# KiCad board keyboard.kicad_pcb
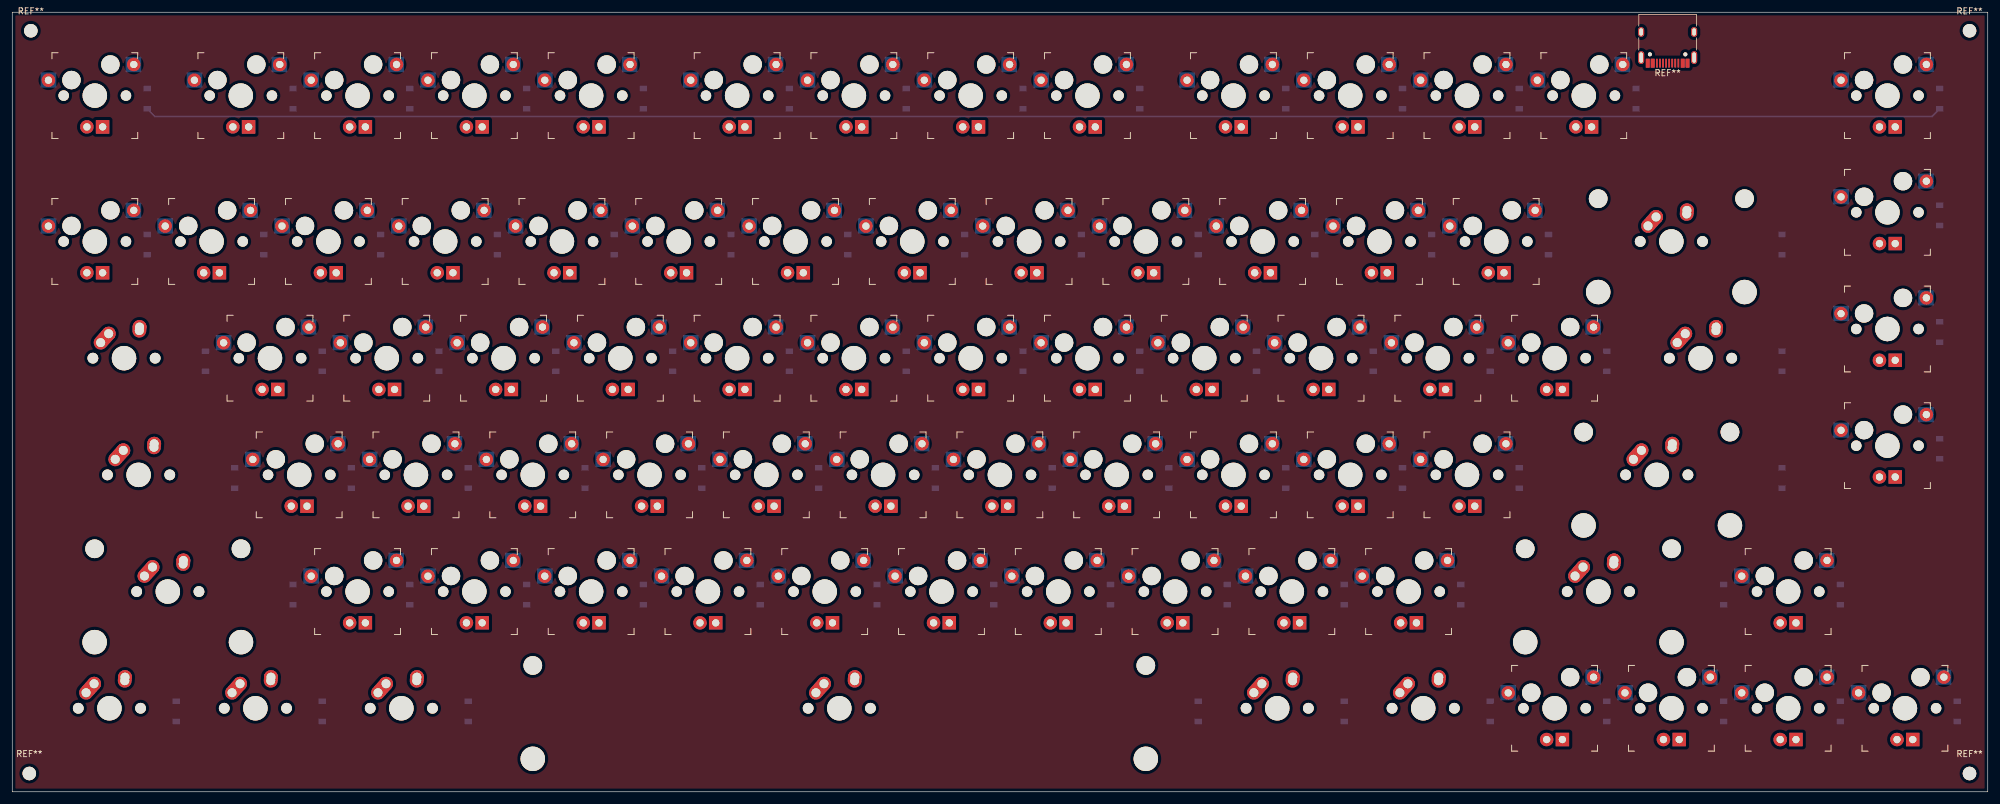
[diagram p0: board, top side]
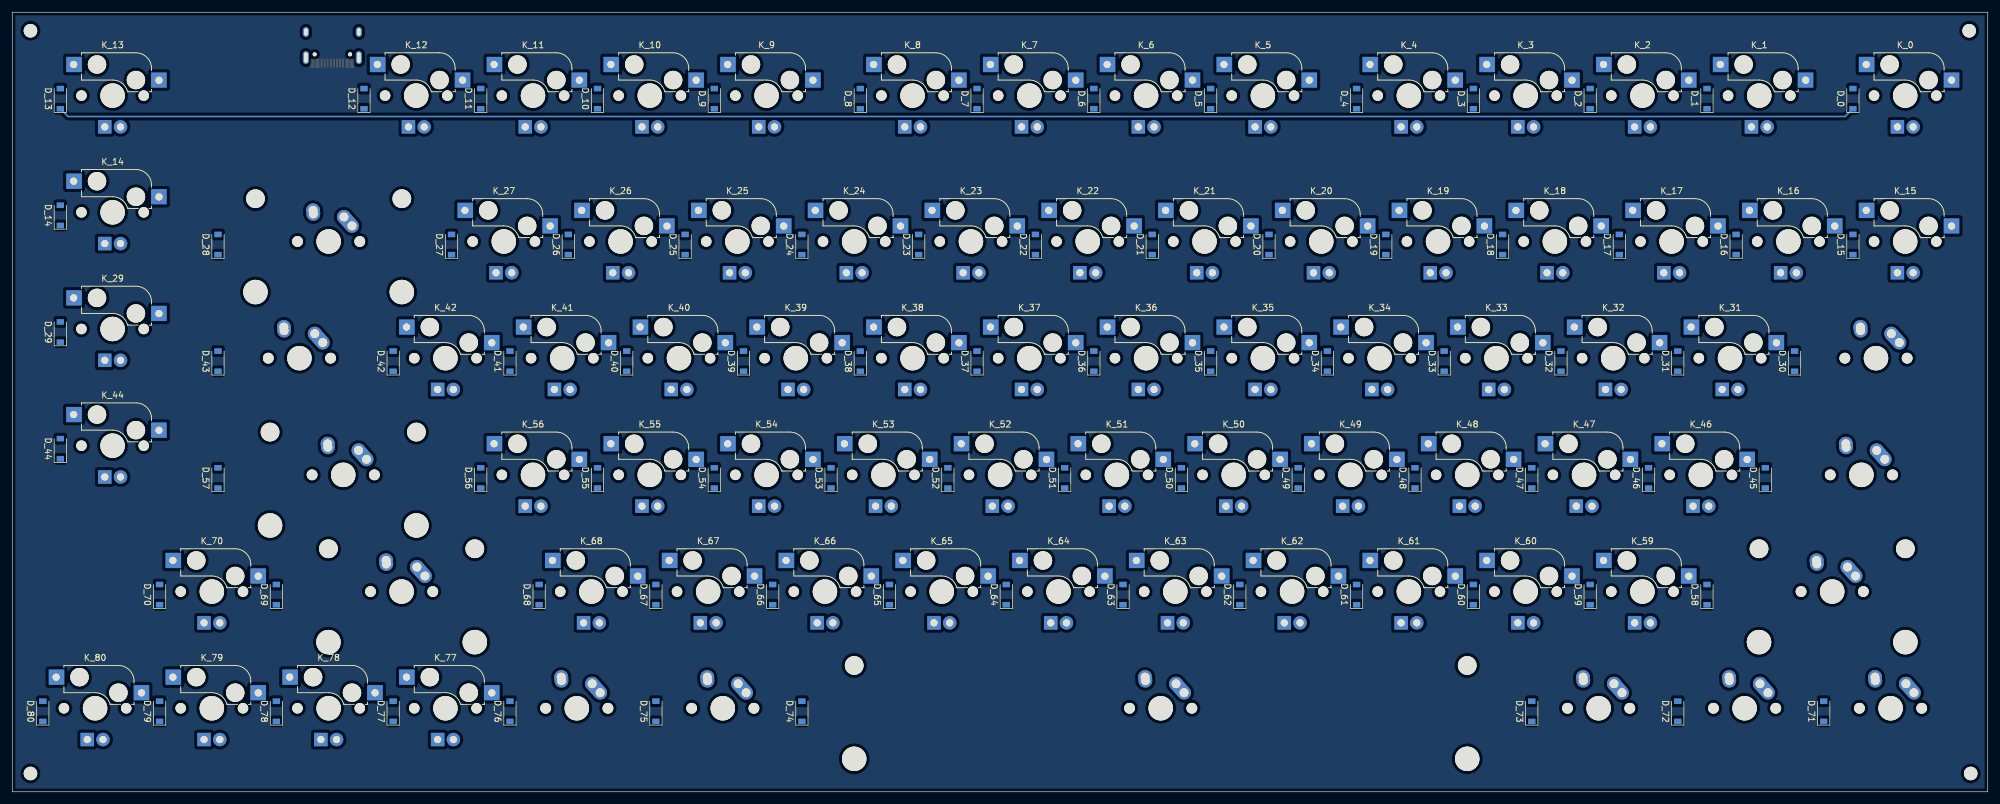
[diagram p1: board, bottom side, seen from below]

Outline 322.25 x 127.25 mm; copper layers: Top, Bottom. Coordinates in mm from the lower left corner of the outline.
Outline path: rectangle 0,127.25 322.25,0

## Placement (name value [footprint] x y rotation side)
D_0  D  [D_SOD-123]  21.99 113.14 90 bottom
D_1  D  [D_SOD-123]  45.81 113.14 90 bottom
D_2  D  [D_SOD-123]  64.85 113.14 90 bottom
D_3  D  [D_SOD-123]  83.91 113.14 90 bottom
D_4  D  [D_SOD-123]  102.96 113.14 90 bottom
D_5  D  [D_SOD-123]  126.77 113.14 90 bottom
D_6  D  [D_SOD-123]  145.82 113.14 90 bottom
D_7  D  [D_SOD-123]  164.87 113.14 90 bottom
D_8  D  [D_SOD-123]  183.92 113.14 90 bottom
D_9  D  [D_SOD-123]  207.73 113.14 90 bottom
D_10  D  [D_SOD-123]  226.78 113.14 90 bottom
D_11  D  [D_SOD-123]  245.83 113.14 90 bottom
D_12  D  [D_SOD-123]  264.88 113.14 90 bottom
D_13  D  [D_SOD-123]  314.41 113.14 90 bottom
D_14  D  [D_SOD-123]  314.41 94.09 90 bottom
D_15  D  [D_SOD-123]  21.99 89.33 90 bottom
D_16  D  [D_SOD-123]  41.04 89.33 90 bottom
D_17  D  [D_SOD-123]  60.09 89.33 90 bottom
D_18  D  [D_SOD-123]  79.14 89.33 90 bottom
D_19  D  [D_SOD-123]  98.19 89.33 90 bottom
D_20  D  [D_SOD-123]  117.24 89.33 90 bottom
D_21  D  [D_SOD-123]  136.29 89.33 90 bottom
D_22  D  [D_SOD-123]  155.34 89.33 90 bottom
D_23  D  [D_SOD-123]  174.39 89.33 90 bottom
D_24  D  [D_SOD-123]  193.44 89.33 90 bottom
D_25  D  [D_SOD-123]  212.49 89.33 90 bottom
D_26  D  [D_SOD-123]  231.54 89.33 90 bottom
D_27  D  [D_SOD-123]  250.59 89.33 90 bottom
D_28  D  [D_SOD-123]  288.69 89.33 90 bottom
D_29  D  [D_SOD-123]  314.41 75.04 90 bottom
D_30  D  [D_SOD-123]  31.52 70.28 90 bottom
D_31  D  [D_SOD-123]  50.57 70.28 90 bottom
D_32  D  [D_SOD-123]  69.62 70.28 90 bottom
D_33  D  [D_SOD-123]  88.67 70.28 90 bottom
D_34  D  [D_SOD-123]  107.72 70.28 90 bottom
D_35  D  [D_SOD-123]  126.77 70.28 90 bottom
D_36  D  [D_SOD-123]  145.82 70.28 90 bottom
D_37  D  [D_SOD-123]  164.87 70.28 90 bottom
D_38  D  [D_SOD-123]  183.92 70.28 90 bottom
D_39  D  [D_SOD-123]  202.97 70.28 90 bottom
D_40  D  [D_SOD-123]  222.02 70.28 90 bottom
D_41  D  [D_SOD-123]  241.07 70.28 90 bottom
D_42  D  [D_SOD-123]  260.12 70.28 90 bottom
D_43  D  [D_SOD-123]  288.69 70.28 90 bottom
D_44  D  [D_SOD-123]  314.41 55.99 90 bottom
D_45  D  [D_SOD-123]  36.28 51.23 90 bottom
D_46  D  [D_SOD-123]  55.33 51.23 90 bottom
D_47  D  [D_SOD-123]  74.38 51.23 90 bottom
D_48  D  [D_SOD-123]  93.43 51.23 90 bottom
D_49  D  [D_SOD-123]  112.48 51.23 90 bottom
D_50  D  [D_SOD-123]  131.53 51.23 90 bottom
D_51  D  [D_SOD-123]  150.58 51.23 90 bottom
D_52  D  [D_SOD-123]  169.63 51.23 90 bottom
D_53  D  [D_SOD-123]  188.68 51.23 90 bottom
D_54  D  [D_SOD-123]  207.73 51.23 90 bottom
D_55  D  [D_SOD-123]  226.78 51.23 90 bottom
D_56  D  [D_SOD-123]  245.83 51.23 90 bottom
D_57  D  [D_SOD-123]  288.69 51.23 90 bottom
D_58  D  [D_SOD-123]  45.81 32.18 90 bottom
D_59  D  [D_SOD-123]  64.85 32.18 90 bottom
D_60  D  [D_SOD-123]  83.91 32.18 90 bottom
D_61  D  [D_SOD-123]  102.96 32.18 90 bottom
D_62  D  [D_SOD-123]  122.01 32.18 90 bottom
D_63  D  [D_SOD-123]  141.05 32.18 90 bottom
D_64  D  [D_SOD-123]  160.1 32.18 90 bottom
D_65  D  [D_SOD-123]  179.16 32.18 90 bottom
D_66  D  [D_SOD-123]  198.21 32.18 90 bottom
D_67  D  [D_SOD-123]  217.26 32.18 90 bottom
D_68  D  [D_SOD-123]  236.3 32.18 90 bottom
D_69  D  [D_SOD-123]  279.17 32.18 90 bottom
D_70  D  [D_SOD-123]  298.22 32.18 90 bottom
D_71  D  [D_SOD-123]  26.75 13.13 90 bottom
D_72  D  [D_SOD-123]  50.57 13.13 90 bottom
D_73  D  [D_SOD-123]  74.38 13.13 90 bottom
D_74  D  [D_SOD-123]  193.44 13.13 90 bottom
D_75  D  [D_SOD-123]  217.26 13.13 90 bottom
D_76  D  [D_SOD-123]  241.07 13.13 90 bottom
D_77  D  [D_SOD-123]  260.12 13.13 90 bottom
D_78  D  [D_SOD-123]  279.17 13.13 90 bottom
D_79  D  [D_SOD-123]  298.22 13.13 90 bottom
D_80  D  [D_SOD-123]  317.27 13.13 90 bottom
K_0  KEYSW  [Kailh_socket_MX_led]  13.47 113.64 0 top
K_1  KEYSW  [Kailh_socket_MX_led]  37.28 113.64 0 top
K_2  KEYSW  [Kailh_socket_MX_led]  56.33 113.64 0 top
K_3  KEYSW  [Kailh_socket_MX_led]  75.38 113.64 0 top
K_4  KEYSW  [Kailh_socket_MX_led]  94.43 113.64 0 top
K_5  KEYSW  [Kailh_socket_MX_led]  118.24 113.64 0 top
K_6  KEYSW  [Kailh_socket_MX_led]  137.29 113.64 0 top
K_7  KEYSW  [Kailh_socket_MX_led]  156.34 113.64 0 top
K_8  KEYSW  [Kailh_socket_MX_led]  175.39 113.64 0 top
K_9  KEYSW  [Kailh_socket_MX_led]  199.21 113.64 0 top
K_10  KEYSW  [Kailh_socket_MX_led]  218.26 113.64 0 top
K_11  KEYSW  [Kailh_socket_MX_led]  237.3 113.64 0 top
K_12  KEYSW  [Kailh_socket_MX_led]  256.36 113.64 0 top
K_13  KEYSW  [Kailh_socket_MX_led]  305.88 113.64 0 top
K_14  KEYSW  [Kailh_socket_MX_led]  305.88 94.59 0 top
K_15  KEYSW  [Kailh_socket_MX_led]  13.47 89.83 0 top
K_16  KEYSW  [Kailh_socket_MX_led]  32.52 89.83 0 top
K_17  KEYSW  [Kailh_socket_MX_led]  51.57 89.83 0 top
K_18  KEYSW  [Kailh_socket_MX_led]  70.62 89.83 0 top
K_19  KEYSW  [Kailh_socket_MX_led]  89.67 89.83 0 top
K_20  KEYSW  [Kailh_socket_MX_led]  108.72 89.83 0 top
K_21  KEYSW  [Kailh_socket_MX_led]  127.77 89.83 0 top
K_22  KEYSW  [Kailh_socket_MX_led]  146.82 89.83 0 top
K_23  KEYSW  [Kailh_socket_MX_led]  165.87 89.83 0 top
K_24  KEYSW  [Kailh_socket_MX_led]  184.92 89.83 0 top
K_25  KEYSW  [Kailh_socket_MX_led]  203.97 89.83 0 top
K_26  KEYSW  [Kailh_socket_MX_led]  223.02 89.83 0 top
K_27  KEYSW  [Kailh_socket_MX_led]  242.07 89.83 0 top
K_28  KEYSW  [MX-2U-NoLED]  270.64 89.83 0 top
K_29  KEYSW  [Kailh_socket_MX_led]  305.88 75.54 0 top
K_30  KEYSW  [MX-1.5U-NoLED]  18.23 70.78 0 top
K_31  KEYSW  [Kailh_socket_MX_led]  42.04 70.78 0 top
K_32  KEYSW  [Kailh_socket_MX_led]  61.09 70.78 0 top
K_33  KEYSW  [Kailh_socket_MX_led]  80.14 70.78 0 top
K_34  KEYSW  [Kailh_socket_MX_led]  99.19 70.78 0 top
K_35  KEYSW  [Kailh_socket_MX_led]  118.24 70.78 0 top
K_36  KEYSW  [Kailh_socket_MX_led]  137.29 70.78 0 top
K_37  KEYSW  [Kailh_socket_MX_led]  156.34 70.78 0 top
K_38  KEYSW  [Kailh_socket_MX_led]  175.39 70.78 0 top
K_39  KEYSW  [Kailh_socket_MX_led]  194.44 70.78 0 top
K_40  KEYSW  [Kailh_socket_MX_led]  213.49 70.78 0 top
K_41  KEYSW  [Kailh_socket_MX_led]  232.54 70.78 0 top
K_42  KEYSW  [Kailh_socket_MX_led]  251.59 70.78 0 top
K_43  KEYSW  [MX-1.5U-NoLED]  275.4 70.78 0 top
K_44  KEYSW  [Kailh_socket_MX_led]  305.88 56.49 0 top
K_45  KEYSW  [MX-1.75U-NoLED]  20.61 51.73 0 top
K_46  KEYSW  [Kailh_socket_MX_led]  46.81 51.73 0 top
K_47  KEYSW  [Kailh_socket_MX_led]  65.85 51.73 0 top
K_48  KEYSW  [Kailh_socket_MX_led]  84.91 51.73 0 top
K_49  KEYSW  [Kailh_socket_MX_led]  103.96 51.73 0 top
K_50  KEYSW  [Kailh_socket_MX_led]  123.01 51.73 0 top
K_51  KEYSW  [Kailh_socket_MX_led]  142.05 51.73 0 top
K_52  KEYSW  [Kailh_socket_MX_led]  161.1 51.73 0 top
K_53  KEYSW  [Kailh_socket_MX_led]  180.16 51.73 0 top
K_54  KEYSW  [Kailh_socket_MX_led]  199.21 51.73 0 top
K_55  KEYSW  [Kailh_socket_MX_led]  218.26 51.73 0 top
K_56  KEYSW  [Kailh_socket_MX_led]  237.3 51.73 0 top
K_57  KEYSW  [MX-2.25U-NoLED]  268.26 51.73 0 top
K_58  KEYSW  [MX-2.25U-NoLED]  25.37 32.68 0 top
K_59  KEYSW  [Kailh_socket_MX_led]  56.33 32.68 0 top
K_60  KEYSW  [Kailh_socket_MX_led]  75.38 32.68 0 top
K_61  KEYSW  [Kailh_socket_MX_led]  94.43 32.68 0 top
K_62  KEYSW  [Kailh_socket_MX_led]  113.48 32.68 0 top
K_63  KEYSW  [Kailh_socket_MX_led]  132.53 32.68 0 top
K_64  KEYSW  [Kailh_socket_MX_led]  151.58 32.68 0 top
K_65  KEYSW  [Kailh_socket_MX_led]  170.63 32.68 0 top
K_66  KEYSW  [Kailh_socket_MX_led]  189.68 32.68 0 top
K_67  KEYSW  [Kailh_socket_MX_led]  208.73 32.68 0 top
K_68  KEYSW  [Kailh_socket_MX_led]  227.78 32.68 0 top
K_69  KEYSW  [MX-2.25U-NoLED]  258.74 32.68 0 top
K_70  KEYSW  [Kailh_socket_MX_led]  289.69 32.68 0 top
K_71  KEYSW  [MX-1.25U-NoLED]  15.85 13.63 0 top
K_72  KEYSW  [MX-1.25U-NoLED]  39.66 13.63 0 top
K_73  KEYSW  [MX-1.25U-NoLED]  63.47 13.63 0 top
K_74  KEYSW  [MX-6.25U-NoLED]  134.91 13.63 0 top
K_75  KEYSW  [MX-1.25U-NoLED]  206.35 13.63 0 top
K_76  KEYSW  [MX-1.25U-NoLED]  230.16 13.63 0 top
K_77  KEYSW  [Kailh_socket_MX_led]  251.59 13.63 0 top
K_78  KEYSW  [Kailh_socket_MX_led]  270.64 13.63 0 top
K_79  KEYSW  [Kailh_socket_MX_led]  289.69 13.63 0 top
K_80  KEYSW  [Kailh_socket_MX_led]  308.74 13.63 0 top
REF**  -  [MountingHole_2.2mm_M2]  319.28 124.23 0 top
REF**#2  -  [MountingHole_2.2mm_M2]  2.78 2.98 0 top
REF**#3  -  [USB_C_Receptacle_HRO_TYPE-C-31-M-12]  270.03 122.98 180 top
REF**#4  -  [MountingHole_2.2mm_M2]  319.28 2.98 0 top
REF**#5  -  [MountingHole_2.2mm_M2]  3.03 124.23 0 top

## Footprints (pads in the part's own frame, mm; a bottom-side part is the same pattern mirrored in y, then rotated)
D_SOD-123
  rect 0.9x1.2 smd: 1(-1.65,0) 2(1.65,0)
Kailh_socket_MX_led
  round 1.702 hole 1.702 unplated: (-5.08,0) (5.08,0)
  round 3 hole 3 unplated: (-3.81,2.54) (2.54,5.08)
  round 3.988 hole 3.988 unplated: (0,0)
  rect 2.55x2.5 smd far side: 1(6.29,5.08) 2(-7.56,2.54)
  round 2.2 hole 1.2: 3(-7.569,2.515) 3(-1.295,-5.105) 3(6.35,5.08)
  rect 2.2x2.2 hole 1.2: 4(1.27,-5.105)
MountingHole_2.2mm_M2
  round 2.2 hole 2.2 unplated: (0,0)
MX-1.5U-NoLED
  round 1.75 hole 1.75 unplated: (-5.08,0) (5.08,0)
  round 3.988 hole 3.988 unplated: (0,0)
  oval 4.212x2.25 hole 1.47 rot 48.1: 1(-3.81,2.54)
  round 2.25 hole 1.47: 1(-2.5,4) 2(2.54,5.08)
  oval 2.831x2.25 hole 1.47 rot 86.1: 2(2.5,4.5)
MX-1.25U-NoLED
  round 1.75 hole 1.75 unplated: (-5.08,0) (5.08,0)
  round 3.988 hole 3.988 unplated: (0,0)
  oval 4.212x2.25 hole 1.47 rot 48.1: 1(-3.81,2.54)
  round 2.25 hole 1.47: 1(-2.5,4) 2(2.54,5.08)
  oval 2.831x2.25 hole 1.47 rot 86.1: 2(2.5,4.5)
MX-1.75U-NoLED
  round 1.75 hole 1.75 unplated: (-5.08,0) (5.08,0)
  round 3.988 hole 3.988 unplated: (0,0)
  oval 4.212x2.25 hole 1.47 rot 48.1: 1(-3.81,2.54)
  round 2.25 hole 1.47: 1(-2.5,4) 2(2.54,5.08)
  oval 2.831x2.25 hole 1.47 rot 86.1: 2(2.5,4.5)
MX-2.25U-NoLED
  round 3.048 hole 3.048 unplated: (-11.938,6.985) (11.938,6.985)
  round 3.988 hole 3.988 unplated: (-11.938,-8.255) (0,0) (11.938,-8.255)
  round 1.75 hole 1.75 unplated: (-5.08,0) (5.08,0)
  oval 4.212x2.25 hole 1.47 rot 48.1: 1(-3.81,2.54)
  round 2.25 hole 1.47: 1(-2.5,4) 2(2.54,5.08)
  oval 2.831x2.25 hole 1.47 rot 86.1: 2(2.5,4.5)
MX-2U-NoLED
  round 3.048 hole 3.048 unplated: (-11.938,6.985) (11.938,6.985)
  round 3.988 hole 3.988 unplated: (-11.938,-8.255) (0,0) (11.938,-8.255)
  round 1.75 hole 1.75 unplated: (-5.08,0) (5.08,0)
  oval 4.212x2.25 hole 1.47 rot 48.1: 1(-3.81,2.54)
  round 2.25 hole 1.47: 1(-2.5,4) 2(2.54,5.08)
  oval 2.831x2.25 hole 1.47 rot 86.1: 2(2.5,4.5)
MX-6.25U-NoLED
  round 3.048 hole 3.048 unplated: (-50,6.985) (50,6.985)
  round 3.988 hole 3.988 unplated: (-50,-8.255) (0,0) (50,-8.255)
  round 1.75 hole 1.75 unplated: (-5.08,0) (5.08,0)
  oval 4.212x2.25 hole 1.47 rot 48.1: 1(-3.81,2.54)
  round 2.25 hole 1.47: 1(-2.5,4) 2(2.54,5.08)
  oval 2.831x2.25 hole 1.47 rot 86.1: 2(2.5,4.5)
USB_C_Receptacle_HRO_TYPE-C-31-M-12
  round 0.65 hole 0.65 unplated: (-2.89,2.6) (2.89,2.6)
  rect 0.6x1.45 smd: A1(-3.25,4.045) A4(-2.45,4.045) A9(2.45,4.045) A12(3.25,4.045) B1(3.25,4.045) B4(2.45,4.045) B9(-2.45,4.045) B12(-3.25,4.045)
  rect 0.3x1.45 smd: A5(-1.25,4.045) A6(-0.25,4.045) A7(0.25,4.045) A8(1.25,4.045) B5(1.75,4.045) B6(0.75,4.045) B7(-0.75,4.045) B8(-1.75,4.045)
  oval 1x2.1 hole 0.6x1.7: S1(-4.32,3.13) S1(4.32,3.13)
  oval 1x1.6 hole 0.6x1.2: S1(-4.32,-1.05) S1(4.32,-1.05)

## Nets
col0: K_0.1 K_15.1 K_30.1 K_45.1 K_71.1
col1: K_1.1 K_16.1 K_58.1 K_72.1
col2: K_2.1 K_17.1 K_31.1 K_46.1 K_59.1
col3: K_3.1 K_18.1 K_32.1 K_47.1 K_60.1 K_73.1
col4: K_4.1 K_19.1 K_33.1 K_48.1 K_61.1
col5: K_20.1 K_34.1 K_49.1 K_62.1
col6: K_5.1 K_21.1 K_35.1 K_50.1 K_63.1 K_74.1
col7: K_6.1 K_22.1 K_36.1 K_51.1 K_64.1
col8: K_7.1 K_23.1 K_37.1 K_52.1 K_65.1
col9: K_8.1 K_24.1 K_38.1 K_53.1 K_66.1
col10: K_9.1 K_25.1 K_39.1 K_54.1 K_67.1 K_75.1
col11: K_10.1 K_26.1 K_40.1 K_55.1 K_68.1 K_76.1
col12: K_11.1 K_27.1 K_41.1 K_56.1
col13: K_12.1 K_42.1 K_57.1 K_69.1 K_77.1
col14: K_28.1 K_43.1 K_78.1
col15: K_13.1 K_14.1 K_29.1 K_44.1 K_70.1 K_79.1
col16: K_80.1
row0: D_0.1 D_1.1 D_2.1 D_3.1 D_4.1 D_5.1 D_6.1 D_7.1 D_8.1 D_9.1 D_10.1 D_11.1 D_12.1 D_13.1
row1: D_14.1 D_15.1 D_16.1 D_17.1 D_18.1 D_19.1 D_20.1 D_21.1 D_22.1 D_23.1 D_24.1 D_25.1 D_26.1 D_27.1 D_28.1
row2: D_29.1 D_30.1 D_31.1 D_32.1 D_33.1 D_34.1 D_35.1 D_36.1 D_37.1 D_38.1 D_39.1 D_40.1 D_41.1 D_42.1 D_43.1
row3: D_44.1 D_45.1 D_46.1 D_47.1 D_48.1 D_49.1 D_50.1 D_51.1 D_52.1 D_53.1 D_54.1 D_55.1 D_56.1 D_57.1
row4: D_58.1 D_59.1 D_60.1 D_61.1 D_62.1 D_63.1 D_64.1 D_65.1 D_66.1 D_67.1 D_68.1 D_69.1 D_70.1
row5: D_71.1 D_72.1 D_73.1 D_74.1 D_75.1 D_76.1 D_77.1 D_78.1 D_79.1 D_80.1
Net-(D_0-Pad2): D_0.2 K_0.2
Net-(D_1-Pad2): D_1.2 K_1.2
Net-(D_2-Pad2): D_2.2 K_2.2
Net-(D_3-Pad2): D_3.2 K_3.2
Net-(D_4-Pad2): D_4.2 K_4.2
Net-(D_5-Pad2): D_5.2 K_5.2
Net-(D_6-Pad2): D_6.2 K_6.2
Net-(D_7-Pad2): D_7.2 K_7.2
Net-(D_8-Pad2): D_8.2 K_8.2
Net-(D_9-Pad2): D_9.2 K_9.2
Net-(D_10-Pad2): D_10.2 K_10.2
Net-(D_11-Pad2): D_11.2 K_11.2
Net-(D_12-Pad2): D_12.2 K_12.2
Net-(D_13-Pad2): D_13.2 K_13.2
Net-(D_14-Pad2): D_14.2 K_14.2
Net-(D_15-Pad2): D_15.2 K_15.2
Net-(D_16-Pad2): D_16.2 K_16.2
Net-(D_17-Pad2): D_17.2 K_17.2
Net-(D_18-Pad2): D_18.2 K_18.2
Net-(D_19-Pad2): D_19.2 K_19.2
Net-(D_20-Pad2): D_20.2 K_20.2
Net-(D_21-Pad2): D_21.2 K_21.2
Net-(D_22-Pad2): D_22.2 K_22.2
Net-(D_23-Pad2): D_23.2 K_23.2
Net-(D_24-Pad2): D_24.2 K_24.2
Net-(D_25-Pad2): D_25.2 K_25.2
Net-(D_26-Pad2): D_26.2 K_26.2
Net-(D_27-Pad2): D_27.2 K_27.2
Net-(D_28-Pad2): D_28.2 K_28.2
Net-(D_29-Pad2): D_29.2 K_29.2
Net-(D_30-Pad2): D_30.2 K_30.2
Net-(D_31-Pad2): D_31.2 K_31.2
Net-(D_32-Pad2): D_32.2 K_32.2
Net-(D_33-Pad2): D_33.2 K_33.2
Net-(D_34-Pad2): D_34.2 K_34.2
Net-(D_35-Pad2): D_35.2 K_35.2
Net-(D_36-Pad2): D_36.2 K_36.2
Net-(D_37-Pad2): D_37.2 K_37.2
Net-(D_38-Pad2): D_38.2 K_38.2
Net-(D_39-Pad2): D_39.2 K_39.2
Net-(D_40-Pad2): D_40.2 K_40.2
Net-(D_41-Pad2): D_41.2 K_41.2
Net-(D_42-Pad2): D_42.2 K_42.2
Net-(D_43-Pad2): D_43.2 K_43.2
Net-(D_44-Pad2): D_44.2 K_44.2
Net-(D_45-Pad2): D_45.2 K_45.2
Net-(D_46-Pad2): D_46.2 K_46.2
Net-(D_47-Pad2): D_47.2 K_47.2
Net-(D_48-Pad2): D_48.2 K_48.2
Net-(D_49-Pad2): D_49.2 K_49.2
Net-(D_50-Pad2): D_50.2 K_50.2
Net-(D_51-Pad2): D_51.2 K_51.2
Net-(D_52-Pad2): D_52.2 K_52.2
Net-(D_53-Pad2): D_53.2 K_53.2
Net-(D_54-Pad2): D_54.2 K_54.2
Net-(D_55-Pad2): D_55.2 K_55.2
Net-(D_56-Pad2): D_56.2 K_56.2
Net-(D_57-Pad2): D_57.2 K_57.2
Net-(D_58-Pad2): D_58.2 K_58.2
Net-(D_59-Pad2): D_59.2 K_59.2
Net-(D_60-Pad2): D_60.2 K_60.2
Net-(D_61-Pad2): D_61.2 K_61.2
Net-(D_62-Pad2): D_62.2 K_62.2
Net-(D_63-Pad2): D_63.2 K_63.2
Net-(D_64-Pad2): D_64.2 K_64.2
Net-(D_65-Pad2): D_65.2 K_65.2
Net-(D_66-Pad2): D_66.2 K_66.2
Net-(D_67-Pad2): D_67.2 K_67.2
Net-(D_68-Pad2): D_68.2 K_68.2
Net-(D_69-Pad2): D_69.2 K_69.2
Net-(D_70-Pad2): D_70.2 K_70.2
Net-(D_71-Pad2): D_71.2 K_71.2
Net-(D_72-Pad2): D_72.2 K_72.2
Net-(D_73-Pad2): D_73.2 K_73.2
Net-(D_74-Pad2): D_74.2 K_74.2
Net-(D_75-Pad2): D_75.2 K_75.2
Net-(D_76-Pad2): D_76.2 K_76.2
Net-(D_77-Pad2): D_77.2 K_77.2
Net-(D_78-Pad2): D_78.2 K_78.2
Net-(D_79-Pad2): D_79.2 K_79.2
Net-(D_80-Pad2): D_80.2 K_80.2

Pads without a net: K_0 3 4; K_1 3 4; K_2 3 4; K_3 3 4; K_4 3 4; K_5 3 4; K_6 3 4; K_7 3 4; K_8 3 4; K_9 3 4; K_10 3 4; K_11 3 4; K_12 3 4; K_13 3 4; K_14 3 4; K_15 3 4; K_16 3 4; K_17 3 4; K_18 3 4; K_19 3 4; K_20 3 4; K_21 3 4; K_22 3 4; K_23 3 4; K_24 3 4; K_25 3 4; K_26 3 4; K_27 3 4; K_29 3 4; K_31 3 4; K_32 3 4; K_33 3 4; K_34 3 4; K_35 3 4; K_36 3 4; K_37 3 4; K_38 3 4; K_39 3 4; K_40 3 4; K_41 3 4; K_42 3 4; K_44 3 4; K_46 3 4; K_47 3 4; K_48 3 4; K_49 3 4; K_50 3 4; K_51 3 4; K_52 3 4; K_53 3 4; K_54 3 4; K_55 3 4; K_56 3 4; K_59 3 4; K_60 3 4; K_61 3 4; K_62 3 4; K_63 3 4; K_64 3 4; K_65 3 4; K_66 3 4; K_67 3 4; K_68 3 4; K_70 3 4; K_77 3 4; K_78 3 4; K_79 3 4; K_80 3 4; REF**#3 A1 A4 A5 A6 A7 A8 A9 A12 B1 B4 B5 B6 B7 B8 B9 B12 S1

## Routing (per net, layer and track width the routed paths; a pad name or vN(x,y) marks a point on that pad's centre or on a via; arc(x,y) is an arc through that point)
row0: length 293.5
  Bottom w0.25: D_0.1 23.25,110.23 313.15,110.23 D_13.1

## Copper pours and planes (outline as drawn; the poured copper is in the pictures)
(no net) on Top: 360.28,153.98 365.78,-27.27 -22.72,-31.77 -23.72,157.98
(no net) on Bottom: 346.78,149.73 353.78,-20.77 -16.22,-27.77 -16.97,152.23
